# Altium PCB PCB_v3.PcbDoc (part 3 of 7)
Units mil, origin at the board's own origin, x right, y up, seen from the top; angles counter-clockwise.
Board outline 17000 x 5250 mil, 4 copper layers (Top Side, Ground Layer, Power Layer, Bottom Side), stack 33.2 mil thick; 591 components, 525 nets, 2570 pads, 902 vias.
Unrouted connection lines stored in the file: 119.
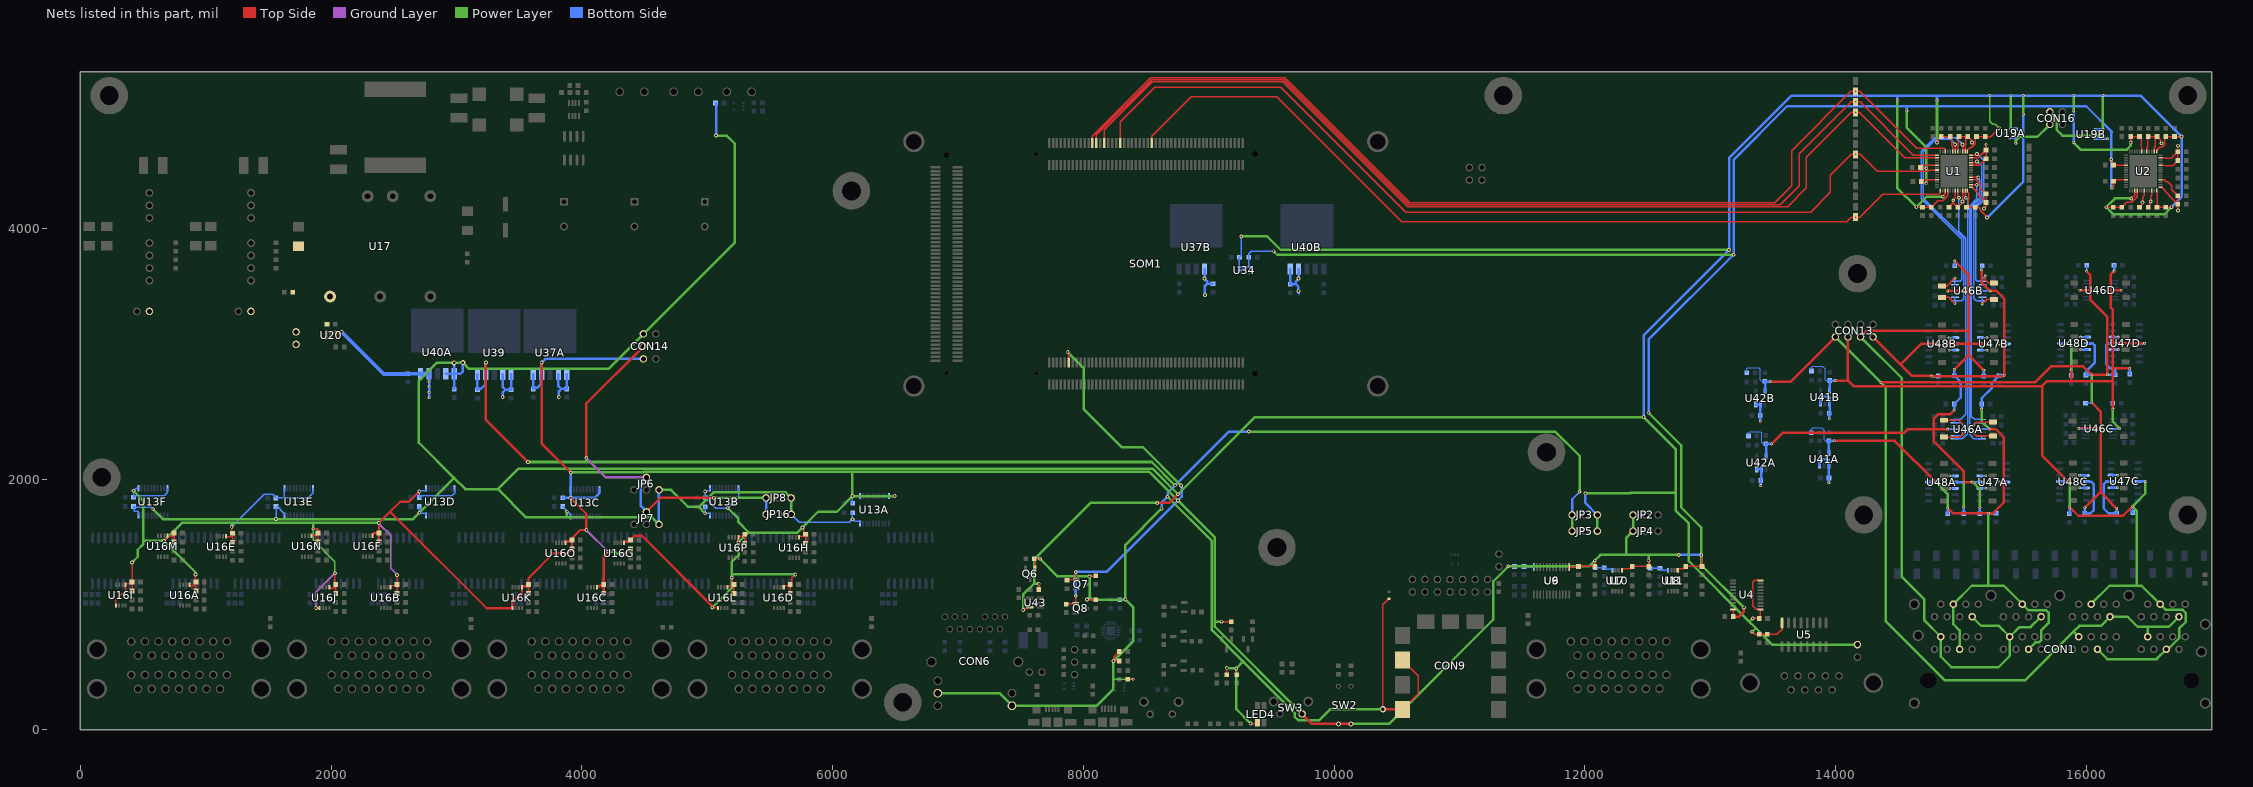
[diagram p5: the nets of this part, all layers, seen from the top]

## Part data (continued)
SW1 SW3: "SWITCH TACTILE SPST-NO 0.05A 24V", Contact Current Rating=50mA, Contact Resistance=100mR, Manufacturer="TE Connectivity", Max Operating Temperature=85°C, Max Voltage Rating (DC)=24V, Min Operating Temperature=-35°C, Operating Force=1.57N, Package Quantity=1000, Supplier Part Number 1=450-1662-ND, Actuator Length=1.24mm, Actuator Material=PBT, ComponentLink1Description=https://datasheet.ciiva.com/45260/fsmseries-45260044.pdf, ComponentLink1URL=https://datasheet.ciiva.com/45260/fsmseries-45260044.pdf, ComponentLink2Description=https://datasheet.ciiva.com/30166/1825027-5rqpn1825027-5-30166445.pdf, ComponentLink2URL=https://datasheet.ciiva.com/30166/1825027-5rqpn1825027-5-30166445.pdf, Contact Material="Copper Alloy", Contact Plating=Silver, Current Rating=50mA, Depth=7.87mm, Electrical Life=100000Cycles, ELV=Compliant, Height=7mm, Housing Material=Nylon, Illumination Type=Non-Illuminated, Lead Free="Lead Free", Length=7.11mm, Manufacturer Part Number=1825027-5, Material=Nylon, Max Current Rating=50mA, Mechanical Life=100000Cycles, Mount="Through Hole", Orientation="Right Angle", Packaging="Loose Piece", Pricing 1="1=0.17, 10=0.169, 25=0.1628, 50=0.157, 100=0.1482, 250=0.13952, 500=0.1337, 1000=0.10173, 5000=0.08429 (USD)", Supplier 1=Digi-Key, Switch Function=Off-Mom, Switch Travel=0.25mm, Termination="PC Pins", Throw Configuration=SPST, Type=Switch, Voltage Rating (DC)=24V, Width=6mm
  SW1: Stock 1=19785
  SW3: Stock 1=19495
SW2: "SWITCH PIANO DIP SPST 50MA 24V", Supplier Part Number 1=CT1942MST-ND, Supplier 1=Digi-Key
TP1A TP1B TP1C TP1D TP2A TP2B TP2C TP2D TP3A TP3B TP3C TP3D TP4A TP4B TP4C TP4D TP5A TP5B TP5C TP5D TP6A TP6B TP6C TP6D TP7A TP7B TP7C TP7D TP8A TP8B TP8C TP8D TP9A TP9B TP9C TP9D TP10A TP10B TP10C TP10D TP11A TP11B TP11C TP11D TP12A TP12B TP12C TP12D TP14 TP16 TP18 TP19 TP20 TP21 TP22 TP23 TP24 TP25 TP26 TP27 TP28 TP29 TP30 TP31 TP32 TP33 TP34 TP35 TP36 TP37 TP38 TP39 TP40 TP41 TP42 TP43: Color=Natural, Supplier Part Number 1=A106145CT-ND, Category="Test and Measurement", ComponentLink1Description=http://www.te.com/commerce/DocumentDelivery/DDEController?Action=srchrtrv&DocNm=1773266&DocType=DS&DocLang=English, ComponentLink1URL=http://www.te.com/commerce/DocumentDelivery/DDEController?Action=srchrtrv&DocNm=1773266&DocType=DS&DocLang=English, Material - Body=-, Material - Insulation="No Insulation", Mounting Type="Surface Mount", Packaging="Cut Tape (CT)", Part Status=Active, Plating=-, Pricing 1="1=0.22, 10=0.206, 25=0.1756, 50=0.1536, 100=0.1426, 250=0.12616, 500=0.12068, 1000=0.09874 (USD)", RoHS="RoHS Compliant", Size / Dimension="0.063\" x 0.031\" x 0.045\" (1.60mm x 0.80mm x 1.15mm)", Stock 1=136646, Supplier 1=Digi-Key, Type="PC Test Point"
U1 U2: "IC ADC 14BIT 1.5MSPS SAR 52QFN - 14 Bit Analog to Digital Converter 8 Input 4 SAR 52-QFN (7x8)", Manufacturer="Analog Devices / Linear Technology", Manufacturer Part Number=LTC2320CUKG-14#PBF, Supplier Part Number 1=LTC2320CUKG-14#PBF-ND, ComponentLink1Description=http://www.linear.com/docs/57507, ComponentLink1URL=http://www.linear.com/docs/57507, Pricing 1="1=23.54, 25=19.676, 100=16.7179 (USD)", Stock 1=40, Supplier 1=Digi-Key
U3 U14: "Recom RS6", Manufacturer=Recom, Manufacturer Part Number=RS6-2415S, Max Output Voltage=16.5V, Supplier Part Number 1=945-2987-ND, Height=11.1mm, Lead Free="Lead Free", Length=21.8mm, Pricing 1="1=14.62, 5=14.508, 10=14.398, 25=14.176, 50=13.733, 100=12.404, 250=12.18252, 500=11.961 (USD)", Stock 1=253, Supplier 1=Digi-Key, Weight=4g, Width=9.2mm
U4: "IC XLATOR 8CH 1.2-5.5V 20TSSOP", Supplier Part Number 1=ADG3308BRUZ-ND, Supplier 1=Digi-Key
U5: "IC RS485/422 RX 32MBPS 16-QSOP", Supplier Part Number 1=MAX3098EACSE+-ND, Supplier 1=Digi-Key
U6 U9: "IC BUS TRANSCVR 8BIT 24TSSOP", Case/Package=TSSOP, High Level Output Current=-32mA, Low Level Output Current=32mA, Manufacturer="Texas Instruments", Max Operating Temperature=85°C, Max Supply Voltage=5.5V, Min Operating Temperature=-40°C, Min Supply Voltage=1.65V, Operating Supply Voltage=3.3V, Package Quantity=1, Quiescent Current=15uA, Supplier Part Number 1=296-18593-6-ND, ComponentLink1Description=https://datasheet.ciiva.com/1899/sn74lvc8t245-1899395.pdf, ComponentLink1URL=https://datasheet.ciiva.com/1899/sn74lvc8t245-1899395.pdf, ComponentLink2Description=https://datasheet.ciiva.com/34301/1048559-34301923.pdf, ComponentLink2URL=https://datasheet.ciiva.com/34301/1048559-34301923.pdf, ComponentLink3Description=https://datasheet.ciiva.com/1899/sn74lvc8t245-1899396.pdf, ComponentLink3URL=https://datasheet.ciiva.com/1899/sn74lvc8t245-1899396.pdf, ComponentLink4Description=https://datasheet.ciiva.com/1899/sn74lvc8t245-1899397.pdf, ComponentLink4URL=https://datasheet.ciiva.com/1899/sn74lvc8t245-1899397.pdf, ComponentLink5Description=https://datasheet.ciiva.com/7795/1763937-7795013.pdf, ComponentLink5URL=https://datasheet.ciiva.com/7795/1763937-7795013.pdf, ComponentLink6Description=https://datasheet.ciiva.com/15086/getdatasheetpartid-48801-15086005.pdf, ComponentLink6URL=https://datasheet.ciiva.com/15086/getdatasheetpartid-48801-15086005.pdf, ComponentLink7Description=https://datasheet.ciiva.com/25973/sn74lvc8t245-25973803.pdf, ComponentLink7URL=https://datasheet.ciiva.com/25973/sn74lvc8t245-25973803.pdf, ComponentLink8Description=https://datasheet.ciiva.com/46439/1831204-46439647.pdf, ComponentLink8URL=https://datasheet.ciiva.com/46439/1831204-46439647.pdf, ComponentLink9Description=https://datasheet.ciiva.com/26867/sn74lvc8t245pwr-26867745.pdf, ComponentLink9URL=https://datasheet.ciiva.com/26867/sn74lvc8t245pwr-26867745.pdf, ComponentLink10Description=https://datasheet.ciiva.com/41455/001017232-da-01-en-ic-bus-8bit-sn74lvc8t245pwr-tssop-24-tid-41455868.pdf, ComponentLink10URL=https://datasheet.ciiva.com/41455/001017232-da-01-en-ic-bus-8bit-sn74lvc8t245pwr-tssop-24-tid-41455868.pdf, Contact Plating=Gold, Data Rate=500Mbps, Direction=Bidirectional, Height=1.05mm, Lead Free="Lead Free", Length=7.9mm, Logic Function=Transceiver,Translator, Manufacturer Part Number=SN74LVC8T245PWR, Mount="Surface Mount", Number of Bits=8, Number of Channels=8, Number of Elements=1, Number of Outputs=8, Number of Pins=24, Packaging="Tape and Reel", Polarity=Non-Inverting, Pricing 1="1=1.05, 10=0.936, 100=0.7297, 500=0.60276, 1000=0.47586 (USD)", Propagation Delay=4.2ns, Radiation Hardening=No, REACH SVHC="No SVHC", Stock 1=101165, Supplier 1=Digi-Key, Turn-On Delay Time=32.2ns, Weight=0.003157oz, Width=4.5mm
U7 U8 U10 U11: "IC BUS TRANSCVR 2BIT N-INV SM8", Case/Package=SSOP, High Level Output Current=-32mA, Low Level Output Current=32mA, Manufacturer="Texas Instruments", Max Operating Temperature=85°C, Max Supply Voltage=5.5V, Min Operating Temperature=-40°C, Min Supply Voltage=1.65V, Output Current=50mA, Package Quantity=3000, Quiescent Current=3uA, Supplier Part Number 1=296-16845-6-ND, ComponentLink1Description=https://datasheet.ciiva.com/1899/sn74lvc2t45-1899281.pdf, ComponentLink1URL=https://datasheet.ciiva.com/1899/sn74lvc2t45-1899281.pdf, ComponentLink2Description=https://datasheet.ciiva.com/34301/1046748-34301921.pdf, ComponentLink2URL=https://datasheet.ciiva.com/34301/1046748-34301921.pdf, ComponentLink3Description=https://datasheet.ciiva.com/1899/sn74lvc2t45-1899282.pdf, ComponentLink3URL=https://datasheet.ciiva.com/1899/sn74lvc2t45-1899282.pdf, ComponentLink4Description=https://datasheet.ciiva.com/1899/sn74lvc2t45-1899283.pdf, ComponentLink4URL=https://datasheet.ciiva.com/1899/sn74lvc2t45-1899283.pdf, ComponentLink5Description=https://datasheet.ciiva.com/15086/getdatasheetpartid-190128-15086325.pdf, ComponentLink5URL=https://datasheet.ciiva.com/15086/getdatasheetpartid-190128-15086325.pdf, ComponentLink6Description=https://datasheet.ciiva.com/14300/sn74lvc2t45-14300710.pdf, ComponentLink6URL=https://datasheet.ciiva.com/14300/sn74lvc2t45-14300710.pdf, ComponentLink7Description=https://datasheet.ciiva.com/22653/sn74lvc2t45-22653414.pdf, ComponentLink7URL=https://datasheet.ciiva.com/22653/sn74lvc2t45-22653414.pdf, ComponentLink8Description=https://datasheet.ciiva.com/14300/sn74lvc2t45-14300711.pdf, ComponentLink8URL=https://datasheet.ciiva.com/14300/sn74lvc2t45-14300711.pdf, ComponentLink9Description=https://datasheet.ciiva.com/46395/1882347-46395882.pdf, ComponentLink9URL=https://datasheet.ciiva.com/46395/1882347-46395882.pdf, ComponentLink10Description=https://datasheet.ciiva.com/25971/sn74lvc2t45-25971979.pdf, ComponentLink10URL=https://datasheet.ciiva.com/25971/sn74lvc2t45-25971979.pdf, ComponentLink11Description=https://datasheet.ciiva.com/1508/1863620-1508814.pdf, ComponentLink11URL=https://datasheet.ciiva.com/1508/1863620-1508814.pdf, ComponentLink12Description=https://datasheet.ciiva.com/1628/1862500-1628670.pdf, ComponentLink12URL=https://datasheet.ciiva.com/1628/1862500-1628670.pdf, Contact Plating=Gold, Data Rate=420Mbps, Direction=Bidirectional, Height=2.1mm, Lead Free="Lead Free", Length=2.4mm, Logic Function=Transceiver,Translator, Manufacturer Part Number=SN74LVC2T45DCTR, Number of Bits=2, Number of Channels=2, Number of Elements=1, Number of Inputs=2, Number of Pins=8, Packaging="Tape and Reel", Polarity=Non-Inverting, Pricing 1="1=0.61, 10=0.537, 100=0.4117, 500=0.32548, 1000=0.26038 (USD)", Propagation Delay=45.2ns, Radiation Hardening=No, REACH SVHC="No SVHC", Stock 1=360982, Supplier 1=Digi-Key, Turn-On Delay Time=17.7ns, Weight=0.000825oz, Width=0.8mm
U12A U12B U12C U12D U12E U12F U15A U15B U15C U15D U15E U15F: "IC MOSFET DVR QUAD AND 16SOIC", Case/Package=SOIC, Input Bias Current=10uA, Manufacturer=Microchip, Manufacturer Part Number=TC4468COE, Max Operating Temperature=70°C, Max Output Current=1.2A, Max Power Dissipation=760mW, Max Supply Current=4mA, Max Supply Voltage=18V, Min Operating Temperature=0°C, Min Supply Voltage=4.5V, On-State Resistance=30R, Package Quantity=47, Supplier Part Number 1=TC4468COE-ND, ComponentLink1Description=https://datasheet.ciiva.com/3226/21425b-3226784.pdf, ComponentLink1URL=https://datasheet.ciiva.com/3226/21425b-3226784.pdf, ComponentLink2Description=https://datasheet.ciiva.com/16216/21425c-16216087.pdf, ComponentLink2URL=https://datasheet.ciiva.com/16216/21425c-16216087.pdf, ComponentLink3Description=https://datasheet.ciiva.com/1949/filehandler-aspxddocname-en011589-1949915.pdf, ComponentLink3URL=https://datasheet.ciiva.com/1949/filehandler-aspxddocname-en011589-1949915.pdf, ComponentLink4Description=https://datasheet.ciiva.com/17234/21425b-17234943.pdf, ComponentLink4URL=https://datasheet.ciiva.com/17234/21425b-17234943.pdf, ComponentLink5Description=https://datasheet.ciiva.com/41463/001085639-da-01-en-ic-mosfet-dvr-quad-tc4468coe-soic-16-mcp-41463324.pdf, ComponentLink5URL=https://datasheet.ciiva.com/41463/001085639-da-01-en-ic-mosfet-dvr-quad-tc4468coe-soic-16-mcp-41463324.pdf, ComponentLink6Description=https://datasheet.ciiva.com/26879/tc4468coe-26879294.pdf, ComponentLink6URL=https://datasheet.ciiva.com/26879/tc4468coe-26879294.pdf, Fall Time=25ns, Height=0.094inch, Lead Free="Lead Free", Length=0.412inch, Mount="Surface Mount", Nominal Supply Current=4mA, Number of Drivers=4, Number of Outputs=4, Number of Pins=16, Packaging=Rail/Tube, Power Dissipation=760mW, Pricing 1="1=3.81, 25=3.1724 (USD)", Propagation Delay=75ns, Radiation Hardening=No, REACH SVHC="No SVHC", Rise Time=25ns, Stock 1=1476, Supplier 1=Digi-Key, Turn-On Delay Time=75ns, Width=0.299inch
U13A U13B U13C U13D U13E U13F: "IC XLATOR 8CH 1.2-5.5V 20TSSOP", Case/Package=TSSOP, High Level Output Current=-20uA, Low Level Output Current=20uA, Manufacturer="Analog Devices", Manufacturer Part Number=ADG3308BRUZ, Max Operating Temperature=85°C, Max Supply Voltage=5.5V, Min Operating Temperature=-40°C, Min Supply Voltage=1.15V, Operating Supply Current=1uA, Package Quantity=75, Quiescent Current=270nA, Supplier Part Number 1=ADG3308BRUZ-ND, Channel Type=Bidirectional, ComponentLink1Description=https://datasheet.ciiva.com/1899/adg3308-3308-1-1899229.pdf, ComponentLink1URL=https://datasheet.ciiva.com/1899/adg3308-3308-1-1899229.pdf, ComponentLink2Description=https://datasheet.ciiva.com/3305/adg3308-3308-1-3305886.pdf, ComponentLink2URL=https://datasheet.ciiva.com/3305/adg3308-3308-1-3305886.pdf, ComponentLink3Description=https://datasheet.ciiva.com/15096/getdatasheetpartid-119355-15096174.pdf, ComponentLink3URL=https://datasheet.ciiva.com/15096/getdatasheetpartid-119355-15096174.pdf, ComponentLink4Description=https://datasheet.ciiva.com/26867/adg3308bruz-26867870.pdf, ComponentLink4URL=https://datasheet.ciiva.com/26867/adg3308bruz-26867870.pdf, Contact Plating=Tin,Matte, Data Rate=60Mbps, Height=1.05mm, Lead Free="Contains Lead", Length=6.5mm, Logic Function=Translator, Number of Channels=8, Number of Circuits=1, Number of Inputs=8, Number of Pins=20, Packaging=Rail/Tube, Pricing 1="1=4.69, 75=3.98253, 150=3.45153, 525=2.93821, 1050=2.478 (USD)", Propagation Delay=35ns, Radiation Hardening=No, REACH SVHC="No SVHC", Rise Time=2ns, Stock 1=442, Supplier 1=Digi-Key, Turn-On Delay Time=12ns, Weight=0.006737oz, Width=4.4mm
U16A U16B U16C U16D U16E U16F U16G U16H U16I U16J U16K U16L U16M U16N U16O U16P: "IC BUS TRANSCVR 2BIT N-INV SM8", Case/Package=SSOP, High Level Output Current=-32mA, Low Level Output Current=32mA, Manufacturer="Texas Instruments", Max Operating Temperature=85°C, Max Supply Voltage=5.5V, Min Operating Temperature=-40°C, Min Supply Voltage=1.65V, Output Current=50mA, Package Quantity=3000, Quiescent Current=3uA, Supplier Part Number 1=296-16845-1-ND, ComponentLink1Description=https://datasheet.ciiva.com/1899/sn74lvc2t45-1899281.pdf, ComponentLink1URL=https://datasheet.ciiva.com/1899/sn74lvc2t45-1899281.pdf, ComponentLink2Description=https://datasheet.ciiva.com/34301/1046748-34301921.pdf, ComponentLink2URL=https://datasheet.ciiva.com/34301/1046748-34301921.pdf, ComponentLink3Description=https://datasheet.ciiva.com/1899/sn74lvc2t45-1899282.pdf, ComponentLink3URL=https://datasheet.ciiva.com/1899/sn74lvc2t45-1899282.pdf, ComponentLink4Description=https://datasheet.ciiva.com/1899/sn74lvc2t45-1899283.pdf, ComponentLink4URL=https://datasheet.ciiva.com/1899/sn74lvc2t45-1899283.pdf, ComponentLink5Description=https://datasheet.ciiva.com/15086/getdatasheetpartid-190128-15086325.pdf, ComponentLink5URL=https://datasheet.ciiva.com/15086/getdatasheetpartid-190128-15086325.pdf, ComponentLink6Description=https://datasheet.ciiva.com/14300/sn74lvc2t45-14300710.pdf, ComponentLink6URL=https://datasheet.ciiva.com/14300/sn74lvc2t45-14300710.pdf, ComponentLink7Description=https://datasheet.ciiva.com/22653/sn74lvc2t45-22653414.pdf, ComponentLink7URL=https://datasheet.ciiva.com/22653/sn74lvc2t45-22653414.pdf, ComponentLink8Description=https://datasheet.ciiva.com/14300/sn74lvc2t45-14300711.pdf, ComponentLink8URL=https://datasheet.ciiva.com/14300/sn74lvc2t45-14300711.pdf, ComponentLink9Description=https://datasheet.ciiva.com/46395/1882347-46395882.pdf, ComponentLink9URL=https://datasheet.ciiva.com/46395/1882347-46395882.pdf, ComponentLink10Description=https://datasheet.ciiva.com/25971/sn74lvc2t45-25971979.pdf, ComponentLink10URL=https://datasheet.ciiva.com/25971/sn74lvc2t45-25971979.pdf, ComponentLink11Description=https://datasheet.ciiva.com/1508/1863620-1508814.pdf, ComponentLink11URL=https://datasheet.ciiva.com/1508/1863620-1508814.pdf, ComponentLink12Description=https://datasheet.ciiva.com/1628/1862500-1628670.pdf, ComponentLink12URL=https://datasheet.ciiva.com/1628/1862500-1628670.pdf, Contact Plating=Gold, Data Rate=420Mbps, Direction=Bidirectional, Height=2.1mm, Lead Free="Lead Free", Length=2.4mm, Logic Function=Transceiver,Translator, Manufacturer Part Number=SN74LVC2T45DCTR, Number of Bits=2, Number of Channels=2, Number of Elements=1, Number of Inputs=2, Number of Pins=8, Packaging="Tape and Reel", Polarity=Non-Inverting, Pricing 1="1=0.61, 10=0.537, 100=0.4117, 500=0.32548, 1000=0.26038 (USD)", Propagation Delay=45.2ns, Radiation Hardening=No, REACH SVHC="No SVHC", Stock 1=370497, Supplier 1=Digi-Key, Turn-On Delay Time=17.7ns, Weight=0.000825oz, Width=0.8mm
U17: "DC/DC CONVERTER 15W 5V 3A", Case/Package=Module, Current - Output 1=3A, Isolation Voltage=2.25kV, Manufacturer=GE, Manufacturer Part Number=SHHD003A0A41Z, Max Input Voltage=75V, Max Operating Temperature=85°C, Max Power Dissipation=15W, Min Input Voltage=18V, Min Operating Temperature=-40°C, Output Voltage=5V, Package Quantity=75, Supplier Part Number 1=555-1311-ND, ComponentLink1Description=https://datasheet.ciiva.com/13119/shhd003a0a-13119248.pdf, ComponentLink1URL=https://datasheet.ciiva.com/13119/shhd003a0a-13119248.pdf, ComponentLink2Description=https://datasheet.ciiva.com/6224/shhd003a0a-6224821.pdf, ComponentLink2URL=https://datasheet.ciiva.com/6224/shhd003a0a-6224821.pdf, Depth=24.4mm, Efficiency=87%, Features=UVLO,OVP, Height=0.34inch, Isolation=Isolated, Length=1.1inch, Max Output Current=3A, Mount="Through Hole", Number of Outputs=1, Number of Pins=6, Output Current=3A, Output Power=15W, Packaging=Bulk, Pricing 1="1=18.55, 5=18.404, 10=18.261, 25=17.9756, 50=17.1196, 100=15.6929, 250=15.40756, 500=15.1793 (USD)", Stock 1=1272, Supplier 1=Digi-Key, Voltage - Output 1=5V, Weight=0.282192oz, Width=0.96inch
U18: library part "IC - LTC4365", "Overvoltage, Undervoltage and Reverse Supply Protection Controller", Case/Package=TSOT, Manufacturer="Analog Devices / Linear Technology", Manufacturer Part Number=LTC4365CTS8#TRMPBF, Max Operating Temperature=70°C, Max Supply Voltage=34V, Min Operating Temperature=0°C, Min Supply Voltage=2.5V, Operating Supply Current=125uA, Package Quantity=1, Supplier Part Number 1=LTC4365CTS8#TRMPBFCT-ND, ComponentLink1Description=https://datasheet.ciiva.com/1964/29832-1964768.pdf, ComponentLink1URL=https://datasheet.ciiva.com/1964/29832-1964768.pdf, ComponentLink2Description=https://datasheet.ciiva.com/1964/29832-1964769.pdf, ComponentLink2URL=https://datasheet.ciiva.com/1964/29832-1964769.pdf, ComponentLink3Description=https://datasheet.ciiva.com/1964/29832-1964770.pdf, ComponentLink3URL=https://datasheet.ciiva.com/1964/29832-1964770.pdf, ComponentLink4Description=https://datasheet.ciiva.com/1569/1747530-1569576.pdf, ComponentLink4URL=https://datasheet.ciiva.com/1569/1747530-1569576.pdf, ComponentLink5Description=https://datasheet.ciiva.com/1511/1747530-1511388.pdf, ComponentLink5URL=https://datasheet.ciiva.com/1511/1747530-1511388.pdf, ComponentLink6Description=https://datasheet.ciiva.com/1569/1441932-1569148.pdf, ComponentLink6URL=https://datasheet.ciiva.com/1569/1441932-1569148.pdf, ComponentLink7Description=https://datasheet.ciiva.com/15104/getdatasheetpartid-418104-15104380.pdf, ComponentLink7URL=https://datasheet.ciiva.com/15104/getdatasheetpartid-418104-15104380.pdf, ComponentLink8Description=https://datasheet.ciiva.com/1569/1441932-1569149.pdf, ComponentLink8URL=https://datasheet.ciiva.com/1569/1441932-1569149.pdf, ComponentLink9Description=https://datasheet.ciiva.com/22711/1747530-22711070.pdf, ComponentLink9URL=https://datasheet.ciiva.com/22711/1747530-22711070.pdf, ComponentLink10Description=https://datasheet.ciiva.com/1511/1747530-1511487.pdf, ComponentLink10URL=https://datasheet.ciiva.com/1511/1747530-1511487.pdf, ComponentLink11Description=https://datasheet.ciiva.com/48695/001256088-da-01-en-ic-over-ltc4365cts8-trmpbf-tsot-23-8-ltc-48695786.pdf, ComponentLink11URL=https://datasheet.ciiva.com/48695/001256088-da-01-en-ic-over-ltc4365cts8-trmpbf-tsot-23-8-ltc-48695786.pdf, Length=2.9mm, Number of Pins=8, Output Voltage=34V, Packaging="Tape and Reel", Pricing 1="1=3.76, 25=3.3572, 100=2.2766, 250=2.08692 (USD)", Radiation Hardening=No, REACH SVHC="No SVHC", Supplier 1=Digi-Key
U19A U19B: "Series Voltage Reference IC ±0.2% 25mA SOT-23-3", Supplier Part Number 1=REF3020AIDBZTDKR-ND, Supplier 1=Digi-Key
U20: "IC LOAD SWITCH 6A 8WSON", Supplier Part Number 1=296-34943-1-ND, Supplier 1=Digi-Key
U34: "TXRX XLATING DUAL 3ST 6TSSOP", Supplier Part Number 1=1727-4560-2-ND, Supplier 1=Digi-Key
U37A U37B: "IC REG LINEAR 1.8V 3A 5DDPAK", Supplier 1=Digi-Key, Supplier Part Number 1=LT1764EQ-1.8#PBF-ND
U39: "IC REG LINEAR 3.3V 3A 5DDPAK", Case/Package=TO-263-6, Dropout Voltage=340mV, Manufacturer="Analog Devices / Linear Technology", Max Input Voltage=20V, Max Operating Temperature=125°C, Max Output Current=3A, Min Current Limit=3.1A, Min Input Voltage=2.7V, Min Operating Temperature=-40°C, Nominal Output Voltage=3.3V, Package Quantity=50, Quiescent Current=1mA, Supplier Part Number 1=LT1764EQ-3.3#PBF-ND, ComponentLink1Description=https://datasheet.ciiva.com/2041/3538-2041701.pdf, ComponentLink1URL=https://datasheet.ciiva.com/2041/3538-2041701.pdf, ComponentLink2Description=https://datasheet.ciiva.com/7003/1576447-7003513.pdf, ComponentLink2URL=https://datasheet.ciiva.com/7003/1576447-7003513.pdf, ComponentLink3Description=https://datasheet.ciiva.com/8041/1576447-8041805.pdf, ComponentLink3URL=https://datasheet.ciiva.com/8041/1576447-8041805.pdf, ComponentLink4Description=https://datasheet.ciiva.com/19477/1740553-19477887.pdf, ComponentLink4URL=https://datasheet.ciiva.com/19477/1740553-19477887.pdf, ComponentLink5Description=https://datasheet.ciiva.com/26906/lt1764eq-3-3-pbf-26906033.pdf, ComponentLink5URL=https://datasheet.ciiva.com/26906/lt1764eq-3-3-pbf-26906033.pdf, Height=4.57mm, Lead Free="Lead Free", Length=10.54mm, Manufacturer Part Number=LT1764EQ-3.3#PBF, Mount="Surface Mount", Number of Outputs=1, Number of Pins=5, Number of Regulators=1, Output Current=3A, Output Type=Fixed, Output Voltage=3.3V, Packaging=Rail/Tube, Polarity=Positive, Pricing 1="1=7.56, 25=5.192, 100=4.2738 (USD)", REACH SVHC="No SVHC", Stock 1=1035, Supplier 1=Digi-Key, Width=9.4mm
U40A U40B: "IC REG LINEAR 5V 3A 5DDPAK", Case/Package=Q, Dropout Voltage=600mV, Manufacturer="Analog Devices / Linear Technology", Max Input Voltage=15V, Max Operating Temperature=125°C, Max Output Current=3A, Min Current Limit=3.2A, Min Input Voltage=3.8V, Min Operating Temperature=0°C, Nominal Output Voltage=5V, Operating Supply Current=50uA, Package Quantity=50, Power Supply Rejection Ratio (PSRR)=62dB, Supplier Part Number 1=LT1529CQ-5#PBF-ND, ComponentLink1Description=https://datasheet.ciiva.com/2041/2740-2041700.pdf, ComponentLink1URL=https://datasheet.ciiva.com/2041/2740-2041700.pdf, ComponentLink2Description=https://datasheet.ciiva.com/17053/0900766b80c5bb9a-17053636.pdf, ComponentLink2URL=https://datasheet.ciiva.com/17053/0900766b80c5bb9a-17053636.pdf, ComponentLink3Description=https://datasheet.ciiva.com/15111/getdatasheetpartid-82034-15111433.pdf, ComponentLink3URL=https://datasheet.ciiva.com/15111/getdatasheetpartid-82034-15111433.pdf, ComponentLink4Description=https://datasheet.ciiva.com/8041/1576443-8041723.pdf, ComponentLink4URL=https://datasheet.ciiva.com/8041/1576443-8041723.pdf, ComponentLink5Description=https://datasheet.ciiva.com/19473/1737899-19473853.pdf, ComponentLink5URL=https://datasheet.ciiva.com/19473/1737899-19473853.pdf, ComponentLink6Description=https://datasheet.ciiva.com/26905/lt1529cq-5-pbf-26905604.pdf, ComponentLink6URL=https://datasheet.ciiva.com/26905/lt1529cq-5-pbf-26905604.pdf, Height=4.57mm, Lead Free="Lead Free", Length=10.54mm, Manufacturer Part Number=LT1529CQ-5#PBF, Number of Outputs=1, Number of Pins=5, Number of Regulators=1, Output Current=3A, Output Type=Fixed, Output Voltage=5V, Packaging=Rail/Tube, Polarity=Positive, Pricing 1="1=7.56, 25=5.02, 100=3.7638 (USD)", Quiescent Current=50uA, Radiation Hardening=No, REACH SVHC="No SVHC", Stock 1=608, Supplier 1=Digi-Key, Width=9.4mm
U41A U41B: "IC REG LINEAR 200MA TSOT23-5", Case/Package=SOT-23-5, Dropout Voltage=200mV, Input Bias Current=1uA, Manufacturer="Analog Devices", Max Input Voltage=20V, Max Operating Temperature=125°C, Max Output Current=200mA, Min Current Limit=250mA, Min Input Voltage=2.7V, Min Operating Temperature=-40°C, Operating Supply Current=180uA, Output Voltage=19.8V, Package Quantity=3000, Power Supply Rejection Ratio (PSRR)=50dB, Quiescent Current=50uA, Supplier Part Number 1=ADP7118AUJZ-R7-ND, Accuracy=0.8%, ComponentLink1Description=http://www.mouser.com/ds/2/609/ADP7118-876130.pdf, ComponentLink1URL=http://www.mouser.com/ds/2/609/ADP7118-876130.pdf, ComponentLink2Description=http://www.farnell.com/datasheets/2250589.pdf, ComponentLink2URL=http://www.farnell.com/datasheets/2250589.pdf, ComponentLink3Description=http://www.analog.com/static/imported-files/data_sheets/ADP7118.pdf, ComponentLink3URL=http://www.analog.com/static/imported-files/data_sheets/ADP7118.pdf, Contact Plating=Tin,Matte, Lead Free="Contains Lead", Manufacturer Part Number=ADP7118AUJZ-R7, Mount="Surface Mount", Number of Outputs=1, Number of Pins=5, Number of Regulators=1, Output Current=200mA, Packaging="Tape and Reel", Polarity=Positive, Pricing 2="1=2.34, 10=2.102, 100=1.6893, 500=1.38792, 1000=1.15 (USD)", Stock 2=14665, Supplier 1=Digi-Key, Supplier 2=Digi-Key, Supplier Part Number 2=ADP7118AUJZ-R7DKR-ND
U42A U42B: "IC REG LINEAR 200MA 5TSOT", Case/Package=SOT-23-5, Dropout Voltage=200mV, Input Bias Current=1uA, Manufacturer="Analog Devices", Manufacturer Part Number=ADP7118AUJZ-R7, Max Input Voltage=20V, Max Operating Temperature=125°C, Max Output Current=200mA, Min Current Limit=250mA, Min Input Voltage=2.7V, Min Operating Temperature=-40°C, Operating Supply Current=180uA, Output Voltage=19.8V, Package Quantity=3000, Power Supply Rejection Ratio (PSRR)=50dB, Quiescent Current=50uA, Supplier Part Number 1=ADP7182AUJZ-R7-ND, Accuracy=0.8%, ComponentLink1Description=http://www.mouser.com/ds/2/609/ADP7118-876130.pdf, ComponentLink1URL=http://www.mouser.com/ds/2/609/ADP7118-876130.pdf, ComponentLink2Description=http://www.farnell.com/datasheets/2250589.pdf, ComponentLink2URL=http://www.farnell.com/datasheets/2250589.pdf, ComponentLink3Description=http://www.analog.com/static/imported-files/data_sheets/ADP7118.pdf, ComponentLink3URL=http://www.analog.com/static/imported-files/data_sheets/ADP7118.pdf, Contact Plating=Tin,Matte, Lead Free="Contains Lead", Mount="Surface Mount", Number of Outputs=1, Number of Pins=5, Number of Regulators=1, Output Current=200mA, Packaging="Tape and Reel", Polarity=Positive, Pricing 2="1=2.34, 10=2.102, 100=1.6893, 500=1.38792, 1000=1.15 (USD)", Stock 2=14665, Supplier 1=Digi-Key, Supplier 2=Digi-Key, Supplier Part Number 2=ADP7118AUJZ-R7DKR-ND
U43: "IC USB PWR SW 1CH 0.5A SOT23-5", Case/Package=SOT-23, Current=500mA, Manufacturer="Texas Instruments", Manufacturer Part Number=TPS2051CDBVT, Max Operating Temperature=85°C, Max Supply Voltage=5.5V, Min Operating Temperature=-40°C, Min Supply Voltage=4.5V, Nominal Supply Current=90uA, On-State Resistance=97mR, Package Quantity=250, Supplier Part Number 1=296-29537-1-ND, ComponentLink1Description=https://datasheet.ciiva.com/1512/tps2051c-1512801.pdf, ComponentLink1URL=https://datasheet.ciiva.com/1512/tps2051c-1512801.pdf, ComponentLink2Description=https://datasheet.ciiva.com/3216/tps2061c-3216901.pdf, ComponentLink2URL=https://datasheet.ciiva.com/3216/tps2061c-3216901.pdf, ComponentLink3Description=https://datasheet.ciiva.com/25906/tps2061c-25906072.pdf, ComponentLink3URL=https://datasheet.ciiva.com/25906/tps2061c-25906072.pdf, ComponentLink4Description=https://datasheet.ciiva.com/1963/tps2051c-1963178.pdf, ComponentLink4URL=https://datasheet.ciiva.com/1963/tps2051c-1963178.pdf, ComponentLink5Description=https://datasheet.ciiva.com/15113/getdatasheetpartid-355784-15113930.pdf, ComponentLink5URL=https://datasheet.ciiva.com/15113/getdatasheetpartid-355784-15113930.pdf, ComponentLink6Description=https://datasheet.ciiva.com/1963/tps2051c-1963179.pdf, ComponentLink6URL=https://datasheet.ciiva.com/1963/tps2051c-1963179.pdf, ComponentLink7Description=https://datasheet.ciiva.com/1963/tps2051c-1963180.pdf, ComponentLink7URL=https://datasheet.ciiva.com/1963/tps2051c-1963180.pdf, Fault Protection="Over Temperature,Reverse Current", Height=1.3mm, Interface=On/Off, Lead Free="Lead Free", Length=3.05mm, Max Output Current=500mA, Mount="Surface Mount", Number of Inputs=1, Number of Outputs=1, Number of Pins=5, Output Configuration="High Side", Output Current=500mA, Packaging="Tape and Reel", Pricing 2="1=1.38, 10=1.231, 100=0.9594 (USD)", Radiation Hardening=No, REACH SVHC="No SVHC", Stock 2=3902, Supplier 1=Digi-Key, Supplier 2=Digi-Key, Supplier Part Number 2=296-29759-6-ND, Voltage=5.5V, Width=1.75mm
U44: "IC BRIDGE USB TO UART 20QFN", Case/Package=QFN, Manufacturer="Silicon Labs", Manufacturer Part Number=CP2102N-A01-GQFN20, Max Operating Temperature=85°C, Max Supply Voltage=3.6V, Min Operating Temperature=-40°C, Min Supply Voltage=3V, Supplier Part Number 1=336-3692-ND, ComponentLink1Description=http://www.farnell.com/datasheets/2060533.pdf, ComponentLink1URL=http://www.farnell.com/datasheets/2060533.pdf, ComponentLink2Description=http://www.farnell.com/datasheets/2245279.pdf, ComponentLink2URL=http://www.farnell.com/datasheets/2245279.pdf, ComponentLink3Description=http://www.silabs.com/documents/public/data-sheets/cp2102n-datasheet.pdf, ComponentLink3URL=http://www.silabs.com/documents/public/data-sheets/cp2102n-datasheet.pdf, Number of Pins=20, Pricing 1="1=1.33, 25=1.2808, 100=1.2317, 1000=1.1526 (USD)", REACH SVHC=Unknown, Stock 1=16569, Supplier 1=Digi-Key
U46A U46B U46C U46D: Case/Package=TSSOP, Input Bias Current=50pA, Input Offset Voltage (Vos)=1.5uV, Manufacturer="Analog Devices", Manufacturer Part Number=ADA4522-4ARUZ-RL, Max Dual Supply Voltage=27.5V, Max Operating Temperature=125°C, Max Supply Voltage=55V, Min Dual Supply Voltage=2.25V, Min Operating Temperature=-40°C, Min Supply Voltage=4.5V, Operating Supply Current=830uA, Output Current per Channel=32mA, Power Supply Rejection Ratio (PSRR)=150dB, Supplier Part Number 1=ADA4522-4ARUZ-RLCT-ND, Voltage Gain=137dB, Common Mode Rejection Ratio=140dB, ComponentLink1Description=http://www.mouser.com/ds/2/609/ADA4522-1_4522-2_4522-4-914641.pdf, ComponentLink1URL=http://www.mouser.com/ds/2/609/ADA4522-1_4522-2_4522-4-914641.pdf, ComponentLink2Description=http://www.analog.com/media/en/technical-documentation/data-sheets/ADA4522-1_4522-2_4522-4.pdf, ComponentLink2URL=http://www.analog.com/media/en/technical-documentation/data-sheets/ADA4522-1_4522-2_4522-4.pdf, Contact Plating=Tin,Matte, Gain Bandwidth Product=2.7MHz, Lead Free="Contains Lead", Mount="Surface Mount", Number of Circuits=4, Number of Pins=14, Packaging="Tape and Reel", Pricing 1="1=8.7, 10=7.861, 100=6.5086, 500=5.66758, 1000=4.93628 (USD)", Slew Rate=1.7V/µs, Stock 1=1071, Supplier 1=Digi-Key
U47A U47B U47C U47D U48A U48B U48C U48D: "IC OPAMP DIFF 150KHZ 14SOIC", Case/Package=D, Dual Supply Voltage=15V, Input Offset Voltage (Vos)=750uV, Input Resistance=55kR, Manufacturer="Texas Instruments", Max Dual Supply Voltage=18V, Max Input Voltage=-1.65V, Max Operating Temperature=125°C, Max Supply Voltage=36V, Min Dual Supply Voltage=2.25V, Min Input Voltage=1.65V, Min Operating Temperature=-55°C, Min Supply Voltage=4.5V, Nominal Supply Current=2.4mA, Operating Supply Current=950uA, Output Current per Channel=32mA, Package Quantity=50, Supplier Part Number 1=INA2143UA-ND, Voltage Gain=20dB, -3db Bandwidth=150kHz, Bandwidth=150kHz, Common Mode Rejection Ratio=80dB, ComponentLink1Description=https://datasheet.ciiva.com/2976/ina2143-2976160.pdf, ComponentLink1URL=https://datasheet.ciiva.com/2976/ina2143-2976160.pdf, ComponentLink2Description=https://datasheet.ciiva.com/15128/getdatasheetpartid-393488-15128930.pdf, ComponentLink2URL=https://datasheet.ciiva.com/15128/getdatasheetpartid-393488-15128930.pdf, ComponentLink3Description=https://datasheet.ciiva.com/1485/33255-1485283.pdf, ComponentLink3URL=https://datasheet.ciiva.com/1485/33255-1485283.pdf, ComponentLink4Description=https://datasheet.ciiva.com/1800/ina143-1800008.pdf, ComponentLink4URL=https://datasheet.ciiva.com/1800/ina143-1800008.pdf, ComponentLink5Description=https://datasheet.ciiva.com/26190/sbos116-26190730.pdf, ComponentLink5URL=https://datasheet.ciiva.com/26190/sbos116-26190730.pdf, ComponentLink6Description=https://datasheet.ciiva.com/26852/ina2143ua-26852117.pdf, ComponentLink6URL=https://datasheet.ciiva.com/26852/ina2143ua-26852117.pdf, Lead Free="Lead Free", Manufacturer Part Number=INA2143UA, Number of Amplifiers=2, Number of Channels=2, Number of Circuits=2, Number of Elements=2, Number of Pins=14, Packaging=Rail/Tube, Pricing 1="1=3.96, 10=3.56, 100=2.9172, 500=2.48336, 1000=2.0944 (USD)", Quiescent Current=950uA, Radiation Hardening=No, REACH SVHC="No SVHC", Slew Rate=5V/µs, Stock 1=454, Supplier 1=Digi-Key, Weight=0.004564oz

## Via types
v1: diameter 30, hole 15, Top Side to Bottom Side, 586 vias
v2: diameter 22, hole 12, Top Side to Bottom Side, 248 vias
v3: diameter 25, hole 15, Top Side to Bottom Side, 30 vias
v4: diameter 60, hole 30, Top Side to Bottom Side, 29 vias
v5: diameter 50, hole 28, Top Side to Bottom Side, 7 vias
v6: diameter 40, hole 20, Top Side to Bottom Side, 2 vias

## Nets (pads, with @x,y where several pads share a name; then routed paths per layer and width w, separated by ;. In a path a pad name is that pad's centre, name@x,y a point inside that pad or via, vN(x,y) a via of type N, cw(c..) or ccw(c..) an arc to the next point about the centre after c; other vN are vias at no path point)
1.8V: C5.1 C10.1 C28.1 C35.1 C56.1 C62.1 C64.1 C66.1 C68.1 C70.1 C72.1 C74.1 C76.1 C78.1 C80.1 C82.1 C84.1 C85.1 C89A.2 C89B.2 C89C.2 C89D.2 C89E.2 C89F.2 C89G.2 C89H.2 C89I.2 C89J.2 C89K.2 C89L.2 C89M.2 C89N.2 C89O.2 C89P.2 C91A.2 C91B.2 C91C.2 C91D.2 C91E.2 C91F.2 C93A.2 C93B.2 C93C.2 C93D.2 C93E.2 C93F.2 C93G.2 C93H.2 C93I.2 C93J.2 C93K.2 C93L.2 C93M.2 C93N.2 C93O.2 C93P.2 C158A.1 CON14.1 JP2.3 JP4.3 Q7.1 Q8.1 R28.2 R47.2 R50.2 SOM1.JX2-11 SW2.2 SW2.4 SW3.2 U1.31 U1.37 U2.31 U2.37 U4.20 U6.1 U7.1 U8.1 U9.1 U10.1 U11.1 U13A.1 U13A.10 U13B.1 U13B.10 U13C.1 U13C.10 U13D.1 U13D.10 U13E.1 U13E.10 U13F.1 U13F.10 U16A.1 U16B.1 U16C.1 U16D.1 U16E.1 U16F.1 U16G.1 U16H.1 U16I.1 U16I.5 U16J.1 U16J.5 U16K.1 U16K.5 U16L.1 U16L.5 U16M.1 U16N.1 U16O.1 U16P.1 U34.1 U34.5 U37A.4 U37A.5 | length 49958.4
  Top Side w10: U16I.5@283.23,992.11 283.23,1036.6 360,1113.38 U16I.1@360,1157.87 360,1163.03 363.27,1166.3 397.83,1166.3 C93I.2@411.54,1180 ; C89I.2@411.54,1108.33 C93I.2@411.54,1180 ; v1(411.54,1335.87) C93I.2@411.54,1180 ; v1(666.36,1507.89) 678.84,1520.37 681.82,1520.37 687.68,1526.23 687.68,1529.21 695,1536.54 U16M.1@695,1547.87 697.87,1545 746.54,1545 ; C89M.2@746.54,1498.33 746.54,1545 ; C93M.2@746.54,1570 746.54,1545 ; U16A.1@870,1157.87 877.87,1150 921.54,1150 ; v1(917.6,1240) 917.6,1183.94 C93A.2@921.54,1180 921.54,1150 ; C89A.2@921.54,1108.33 921.54,1150 ; U16E.1@1161.77,1545.77 1167.54,1540 1213.31,1540 ; v1(1206,1619.76) 1206,1575.2 C93E.2@1213.31,1567.89 1213.31,1540 ; C89E.2@1213.31,1496.23 1213.31,1540 ; U16N.1@1847.15,1556.3 1843.88,1553.03 U16N.1@1843.88,1547.87 1873.29,1547.87 C93N.2@1895.42,1570 ; v2(1855,1604.58) 1887.13,1604.58 1895.42,1596.3 C93N.2@1895.42,1570 ; v1(1880,972.11) U16J.5@1908.23,972.11 ; C89N.2@1895.42,1498.33 C93N.2@1895.42,1570 ; U16J.1@1985,1137.87 1992.87,1130 2036.54,1130 ; v1(2030,1250) 2030,1166.54 C93J.2@2036.54,1160 2036.54,1130 ; C89J.2@2036.54,1088.33 2036.54,1130 ; U16B.1@2474.24,1137.87 2474.24,1145.2 2477.5,1148.46 2514.24,1148.46 C93B.2@2525.77,1160 ; C89B.2@2525.77,1088.33 C93B.2@2525.77,1160 ; v1(2525.77,1236.14) C93B.2@2525.77,1160 ; v1(5040,975) 5082.01,975 U16L.5@5084.91,972.11 ; U16L.1@5161.68,1137.87 5161.68,1143.03 5164.94,1146.3 5199.51,1146.3 C93L.2@5213.21,1160 ; v1@5199.51,1205.08 5199.51,1173.7 C93L.2@5213.21,1160 ; C89L.2@5213.21,1088.33 C93L.2@5213.21,1160 ; v1(5250,1497.14) 5249.09,1498.05 5249.09,1536.52 U16P.1@5248.18,1537.43 5248.18,1542.59 5251.45,1545.86 5286.02,1545.86 C93P.2@5299.72,1559.56 C89P.2@5299.72,1487.89 ; U16D.1@5610,1137.87 5610,1147.11 5613.27,1150.37 5651.91,1150.37 C93D.2@5661.54,1160 ; C89D.2@5661.54,1088.33 C93D.2@5661.54,1160 ; v1(5702.79,1240.49) 5675.24,1212.93 5675.24,1173.7 C93D.2@5661.54,1160 ; U16H.1@5732.54,1537.43 5732.54,1542.59 5735.8,1545.86 5770.37,1545.86 C93H.2@5784.07,1559.56 ; v1(5760,1615.35) 5760,1609.94 5770.37,1599.57 5770.37,1573.26 C93H.2@5784.07,1559.56 ; C89H.2@5784.07,1487.89 C93H.2@5784.07,1559.56 ; R50.2@7865,999.53 7872.87,1007.4 Q8.1@7938.66,1007.4 7940,1008.74 v1(7940,1070) ; R47.2@7870,1189.53 7877.87,1197.4 Q7.1@7943.66,1197.4 7940,1201.06 v1(7940,1260) ; v1(7875,3015) 7884.13,3005.87 SOM1.JX2-11@7884.13,2930 ; v1(9102.35,863.46) R28.2@9179.65,863.46 ; U6.1@11875.75,1300.24 11946.77,1300.24 C64.1@11950,1303.46 C62.1@12080,1303.46 v1(12080,1350) ; U7.1@12295.98,1272.88 12295.98,1282.12 12299.25,1285.38 12361.92,1285.38 C68.1@12380,1303.46 C66.1@12510,1303.46 v1(12510,1350) ; U8.1@12741.77,1272.88 12741.77,1282.12 12745.04,1285.38 12786.92,1285.38 C70.1@12805,1303.46 C72.1@12935,1303.46 12935,1390 v1(12929.62,1395.38) ; U4.20@13183.4,962.05 13184.13,961.32 C56.1@13184.13,903.89 ; v1(14725,4360) 14721.17,4363.83 14677.04,4363.83 14700.85,4387.64 U1.37@14809,4387.64 ; v1(14725,4480) 14685,4480 C5.1@14678.46,4486.54 14697.68,4505.75 U1.31@14809,4505.75 ; v1(16200.18,4549.76) 16195,4544.59 16204.76,4534.82 16204.76,4520.24 C28.1@16218.46,4506.54 16219.25,4505.75 U2.31@16319,4505.75 ; v1(16204.76,4324.72) 16218.84,4338.8 16218.84,4364.88 16229.38,4364.88 C35.1@16218.46,4375.8 ; C35.1@16218.46,4386.54 16219.57,4387.64 U2.37@16319,4387.64
  Top Side w18: U16F.1@2330,1547.87 U16F.1@2330,1554.46 ; U16F.1@2330.73,1555.2 U16F.1@2330,1554.46 ; C89F.2@2381.54,1498.33 C93F.2@2381.54,1570 ; v1(2703.31,1902.6) 2620.86,1820.15 2550.15,1820.15 2470,1740 ; C89K.2@3573.61,1088.33 C93K.2@3573.61,1160 ; U16O.1@3869.02,1492.87 3869.02,1500.64 3869.75,1501.37 3887.96,1501.37 3892.85,1506.27 3911.82,1506.27 C93O.2@3920.55,1515 ; v1(3910,1850) 4035.67,1724.33 v1(4035.67,1595) 3986.47,1595 3920.55,1529.08 C93O.2@3920.55,1515 ; U16C.1@4122.15,1137.87 4122.15,1145.64 4122.88,1146.37 4141.09,1146.37 4145.98,1151.27 4164.95,1151.27 C93C.2@4173.69,1160 ; C89C.2@4173.69,1088.33 C93C.2@4173.69,1160 ; v1(4209.35,1421.31) 4173.69,1385.64 C93C.2@4173.69,1160 ; U16G.1@4335.54,1492.87 4335.54,1499.46 4336.27,1500.2 4372.27,1500.2 C93G.2@4387.07,1515 ; U16F.1@2330,1554.46 2330,1558.85 2341.15,1570 C93F.2@2381.54,1570 ; C93F.2@2381.54,1570 2380.77,1570.77 2380.77,1649.23 v1(2380,1650) 2470,1740 ; 2470,1740 3240,970 3400,970 3401.05,971.05 3444.57,971.05 3445.3,971.79 U16K.5@3445.3,972.11 3445.3,1016.61 3522.07,1093.37 U16K.1@3522.07,1137.87 3522.07,1144.46 3522.8,1145.2 3558.8,1145.2 C93K.2@3573.61,1160 ; C93K.2@3573.61,1160 3573.61,1210.62 3771.56,1408.58 3885.79,1408.58 C89O.2@3920.55,1443.33 C93O.2@3920.55,1515
  Top Side w19: v1(4343.74,1400) C89G.2@4387.07,1443.33
  Top Side w20: v1(3679,2930) 3679,2286 v1(3910.94,2054.06) ; C93G.2@4387.07,1515 4420.77,1548.7 4478.91,1548.7 v1@5038.09,989.53 ; SW3.2@9745,127.6 9825.08,47.52 SW2.4@10035,47.52 SW2.2@10135,47.52 ; C56.1@13184.13,903.89 13228.89,903.89 13270,945 v1(13270,975)
  Ground Layer w10: v1(1880,972.11) 1880,1100 v1(2030,1250) ; v1(2380,1650) 2380,1644.64 2473.65,1551 2473.65,1288.27 v1(2525.77,1236.14)
  Ground Layer w18: v1(4035.67,1595) v1(4209.35,1421.31)
  Power Layer w10: v2(1855,1604.58) 1855,1514.79 2030,1339.79 v1(2030,1250)
  Power Layer w18: v1(4209.35,1421.31) 4265.89,1421.31 4287.2,1400 v1(4343.74,1400)
  Power Layer w20: v1(411.54,1335.87) 456.72,1381.06 456.72,1436.72 500,1480 500,1507.89 ; v1(423.31,1907.6) 500,1830.91 500,1507.89 ; v1(917.6,1240) 915.69,1241.91 915.69,1258.57 v1(666.36,1507.89) ; v1(1206,1619.76) 1207.91,1621.68 1207.91,1646.2 1213.31,1651.6 ; v2(1855,1604.58) 1855,1651.6 ; v1(2380,1650) 2378.4,1651.6 1855,1651.6 ; v1(3910.94,2054.06) 4490.43,2054.06 4496.36,2059.99 6158.33,2059.99 ; v1(5040,975) 5195,1130 v1(5195,1215) 5195,1236.54 ; v1(5163.8,1770) 5248.5,1685.3 5248.5,1657.37 5331.28,1574.58 ; v1(5702.79,1240.49) 5198.95,1240.49 5195,1236.54 ; v1@5759.82,1615.18 5719.23,1574.58 5331.28,1574.58 ; v1@5760.18,1615.53 5884.8,1740.16 6033.5,1740.16 v1(6158.31,1864.96) ; v1(6494.98,1865) v1(6158.31,1864.96) 6158.33,2059.99 ; v1(7875,3015) 7875,3013.2 8002.34,2885.86 8002.34,2559.32 8306.04,2255.62 8474.38,2255.62 v1(8780,1950) ; v1(9102.35,863.46) 9053.46,863.46 9050,860 ; v1(9518.43,3818.89) 9546.93,3790.39 v1(13187.47,3790.39) ; SW3.2@9745,127.6 9050,822.6 9050,860 ; SW2.2@10135,47.52 10437.52,47.52 11270,880 11270,1185 v1(11390,1305) 12035,1305 v1(12080,1350) 12125.38,1395.38 12330,1395.38 ; JP2.3@12385,1715 JP4.3@12385,1585 12330,1530 12330,1395.38 ; v1(12510,1350) 12510,1395.38 ; v1(12510,2530) 12770,2270 12770,1775 12929.62,1615.38 v1(12929.62,1395.38) 12929.62,1315.38 v1(13270,975) ; v1(12750,1395.38) 12510,1395.38 ; v2(14570,4939.01) 14570,4802.2 14725,4647.2 v1(14725,4480) v1(14725,4360) ; v1(16204.76,4324.72) v1@16211.21,4324.72 ; 500,1507.89 v1(666.36,1507.89) ; v1(666.36,1507.89) 666.36,1508.78 809.17,1651.6 1213.31,1651.6 ; 1213.31,1651.6 1855,1651.6 ; 5195,1236.54 5195,1337.99 5250,1392.99 v1(5250,1497.14) 5289.68,1536.82 5293.52,1536.82 5331.28,1574.58 ; 6158.33,2059.99 8525.29,2059.99 9050,1535.28 9050,860 ; 12330,1395.38 12510,1395.38
  Bottom Side w10: U13F.1@462.72,1927.6 443.31,1927.6 v1(423.31,1907.6) 423.31,1852.81 436.8,1866.3 667.32,1866.3 693.03,1892.01 U13F.10@693.03,1927.6 ; v1(1206,1619.76) 1467.53,1881.3 1532.46,1881.3 1561.17,1852.6 1625.94,1852.6 U13E.1@1625.94,1927.6 ; 1630,1852.6 1815.91,1852.6 1856.26,1892.95 U13E.10@1856.26,1927.6 ; v1(2703.31,1902.6) C91D.2@2703.31,1853.53 2704.24,1852.6 2717.94,1866.3 2962.71,1866.3 2985.08,1888.67 U13D.10@2985.08,1921.1 ; v1@2714.11,1907.99 2750.91,1907.99 2754.76,1911.85 U13D.1@2754.76,1921.1 ; v1(4983.31,1902.6) 4983.31,1854.67 C91B.2@4985.38,1852.6 5067.98,1770 v1(5163.8,1770) 5250.34,1856.54 U13B.10@5250.34,1926.85 ; v1@4994.11,1907.99 5016.17,1907.99 5020.02,1911.85 U13B.1@5020.02,1927.6 ; C91A.2@6158.45,1804.96 6158.31,1805.1 v1(6158.31,1864.96) U13A.1@6218.24,1865 U13A.1@6218.24,1865 ; U13A.10@6448.56,1865 v1(6494.98,1865) ; U34.5@9245.71,3666.54 9248.58,3669.41 9268.94,3669.41 9288.78,3689.25 9317.64,3689.25 U34.1@9320.51,3692.13 9320.51,3770.67 C85.1@9319.65,3771.54 9319.65,3800.11 9338.42,3818.89 v1(9518.43,3818.89) ; v1(11390,1305) 11438.46,1305 C76.1@11440,1303.46 C74.1@11515,1303.46 11517.32,1301.14 11593.35,1301.14 U9.1@11594.25,1300.24 ; v1(12080,1350) 12080,1298.46 C80.1@12085,1293.46 C78.1@12155,1293.46 12168.7,1279.76 12216.73,1279.76 12220,1276.5 U10.1@12220,1272.87 ; v1(12510,1350) 12510,1298.46 C84.1@12520,1288.46 C82.1@12600,1288.46 12613.7,1274.76 12663.11,1274.76 U11.1@12665,1272.87
  Bottom Side w20: U37A.5@3611.99,2835.64 C158A.1@3611.97,2719.99 3619.86,2727.88 3640.67,2727.88 3673.44,2760.65 3673.44,2830.09 U37A.4@3679,2835.65 v1(3679,2930) 3708.17,2959.17 CON14.1@4490,2959.17 ; C91C.2@3847.31,1852.6 3848.61,1851.3 3908.7,1851.3 v1(3910,1850) ; v1(3910.94,2054.06) U13C.1@3910.94,1920 3910.8,1919.85 3910.8,1850.8 v1(3910,1850) ; U13C.10@4140.12,1918.86 4140.12,1889.77 4100.35,1850 v1(3910,1850) ; v1(7940,1070) v1(7940,1260) 8185,1260 v1(8755.31,1830.31) 8785.31,1860.31 8785.31,1944.69 v1(8780,1950) ; v1(12510,2530) 12510,3112.92 v1(13187.47,3790.39) ; v1(12750,1395.38) v1(12929.62,1395.38) ; v1@13188.54,3791.46 v1(13187.47,3790.39) ; v2(14570,4939.01) 14570,4975 ; v1(16204.76,4324.72) 16200.18,4329.31 v1(16200.18,4549.76) 16200.18,4766.1 16204.76,4770.69 16000.46,4975 15828.64,4975 14570,4975 ; v1(13187.47,3790.39) 13187.47,4547.47 13615,4975 14570,4975
2.048VREF_A: C1.1 C2.1 C6.1 C7.1 C11.1 C12.1 C15.1 C16.1 CON16.1 U1.1 U1.4 U1.10 U1.13 U1.16 U1.19 U1.47 U1.50 U19A.2 U47A.3 U47A.5 U47B.3 U47B.5 U48A.3 U48A.5 U48B.3 U48B.5 | length 2450.4
  Top Side w10: C16.1@14905,4170 14940,4205 ; U1.47@14954.84,4301.04 14954.84,4245.25 14940,4230.41 v1(14940,4225) 14940,4205 ; U1.19@14974.53,4612.04 14974.53,4654.17 14980,4659.64 14980,4728.07 C12.1@14985,4733.07 C11.1@15055,4733.07 ; U1.50@15013.9,4301.04 v1(15013.9,4215) 15010.07,4211.17 15010.07,4205.07 C15.1@14975,4170 14940,4205 ; U1.16@15033.58,4612.04 15033.58,4654.33 15041.3,4662.05 15041.3,4719.37 C11.1@15055,4733.07 ; U1.1@15081,4328.58 15091,4328.58 15139.92,4279.67 15139.92,4268.15 C6.1@15201.54,4206.54 ; U1.4@15081,4387.64 15122.42,4387.64 15155.63,4354.43 15155.63,4321.7 C1.1@15201.54,4275.79 C6.1@15201.54,4206.54 ; U1.10@15081,4505.75 15152.28,4505.75 C7.1@15201.54,4555 C2.1@15201.54,4626.54 ; U1.13@15081,4564.8 15139.8,4564.8 C2.1@15201.54,4626.54 ; v1(15090,4685) 15086.17,4688.83 15086.17,4701.9 C11.1@15055,4733.07 ; v1(15184.03,4160.25) 15201.54,4177.75 C6.1@15201.54,4206.54 ; v2(15201.54,4669.53) C2.1@15201.54,4626.54
  Power Layer w20: v2(15439.88,4679.75) 15439.88,4699.88 15470,4730 15610,4730 CON16.1@15710,4830
  Bottom Side w10: v2(14906.19,3128.81) U48B.3@14959.75,3128.81 ; v2(14907.19,3028.81) U48B.5@14959.75,3028.81 ; v2(14912.25,1926.42) U48A.5@14955.75,1926.42 ; v2(14912.25,2026.42) U48A.3@14955.75,2026.42 ; U47A.3@15152.2,1926.91 v2(15200,1926.91) ; U47A.5@15152.2,2026.91 v2(15199.52,2026.91) ; U47B.3@15156.2,3029.29 v2(15207.95,3029.29) ; U47B.5@15156.2,3129.29 v2(15207.95,3129.29) ; v2(15390.16,4720.16) U19A.2@15439.88,4720.16 v2(15439.88,4679.75)
2.048VREF_B: C24.1 C25.1 C31.1 C32.1 C37.1 C38.1 C43.1 C44.1 CON16.3 U2.1 U2.4 U2.10 U2.13 U2.16 U2.19 U2.47 U2.50 U19B.2 U47C.3 U47C.5 U47D.3 U47D.5 U48C.3 U48C.5 U48D.3 U48D.5 | length 2729.4
  Top Side w10: C44.1@16425,4170 16446.17,4191.17 16446.17,4204.5 v1(16450,4208.32) 16450,4250.83 16464.84,4265.67 U2.47@16464.84,4301.04 ; U2.19@16484.53,4612.04 16484.53,4644.68 16490,4650.16 16490,4728.07 C24.1@16495,4733.07 C25.1@16565,4733.07 ; C43.1@16495,4170 16508.7,4183.7 16508.7,4203.29 16515,4209.59 v1(16515,4215) 16515,4256.77 16523.9,4265.67 U2.50@16523.9,4301.04 ; U2.16@16543.58,4612.04 16543.58,4644.84 16551.3,4652.56 16551.3,4719.37 C25.1@16565,4733.07 ; U2.1@16591,4328.58 16601,4328.58 16659.92,4269.67 16659.92,4263.65 C38.1@16731.54,4192.04 ; U2.4@16591,4387.64 16624.33,4387.64 16638.7,4373.27 16650.36,4373.27 16684.1,4339.53 16684.1,4309.48 C37.1@16731.54,4262.04 C38.1@16731.54,4192.04 ; U2.10@16591,4505.75 16624.33,4505.75 16629.64,4500.43 16689.93,4500.43 C32.1@16731.54,4542.04 C31.1@16731.54,4612.04 ; U2.13@16591,4564.8 16624.84,4564.8 16629.64,4560 16679.5,4560 C31.1@16731.54,4612.04 ; v1(16600,4680) 16596.17,4683.83 16596.17,4701.9 C25.1@16565,4733.07 ; v1(16731.54,4143.08) C38.1@16731.54,4192.04 ; v1(16731.54,4660.51) C31.1@16731.54,4612.04